# KiCad board hackrf-one.kicad_pcb (continued)
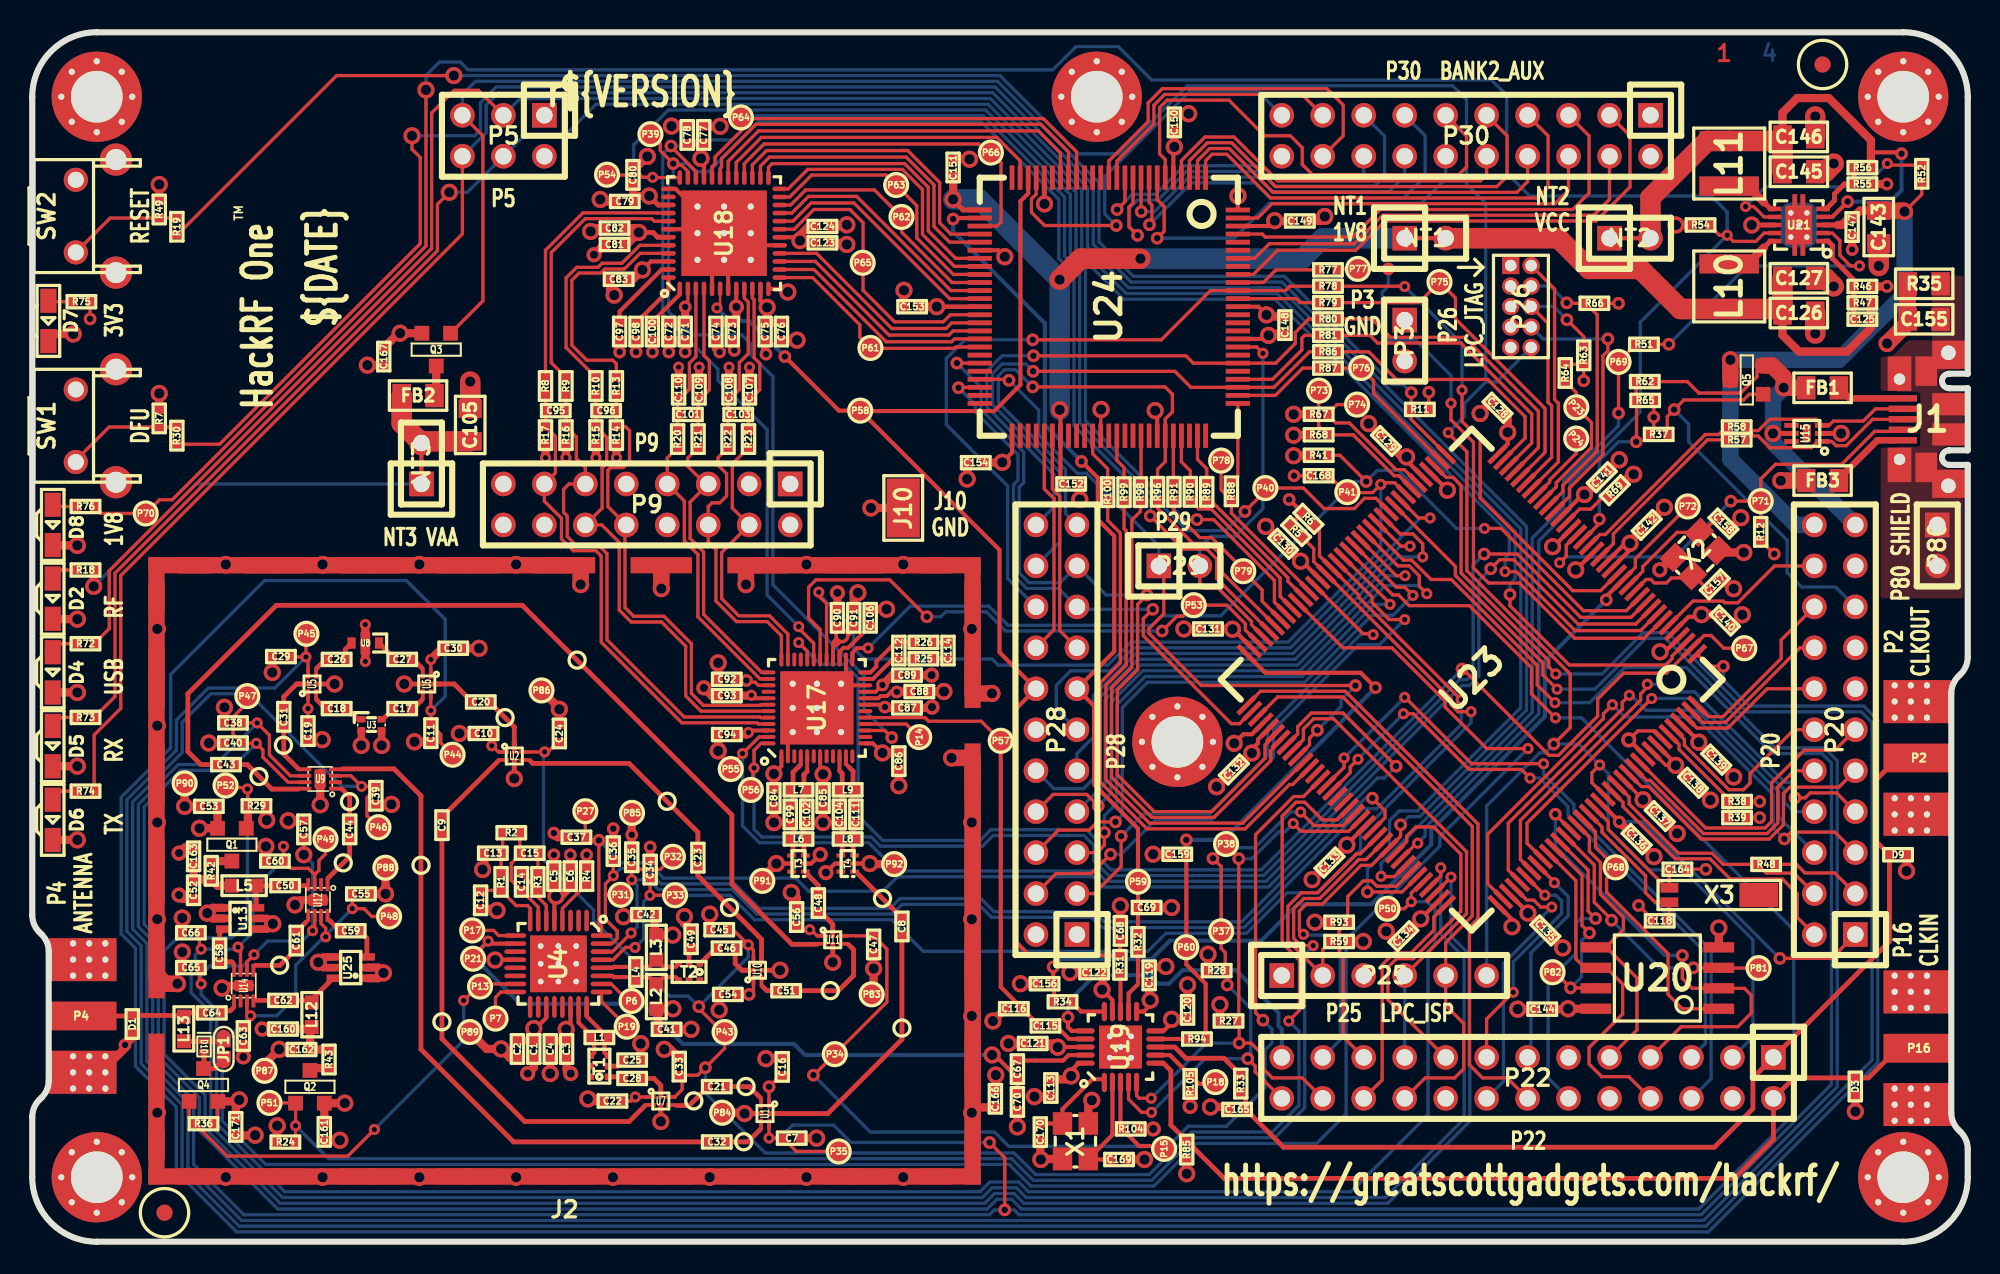
[diagram p0: board, top side]
## Placement (name value [footprint] x y rotation side) (continued)
U3  LOWPASS_FILTER  [GSG-LP0603]  21.03 32.05 0 top
U4  RFFC5072  [GSG-QFN32]  32.62 17.24 270 top
U5  SKY13453  [SKY13350-385LF]  17.35 34.59 90 top
U6  SKY13453  [SKY13350-385LF]  24.46 34.59 270 top
U7  SKY13453  [SKY13350-385LF]  38.97 8.73 0 top
U8  HIGHPASS_FILTER  [GSG-HP-DEA]  20.65 37.13 180 top
U9  SKY13317  [GSG-SKY13317-373LF]  17.85 28.7 180 top
U10  SKY13453  [SKY13350-385LF]  44.96 16.84 90 top
U11  SKY13453  [SKY13350-385LF]  49.63 18.72 0 top
U12  SKY13317  [GSG-SKY13317-373LF]  17.71 21.19 270 top
U13  MGA-81563  [GSG-SOT363]  12.88 20.05 270 top
U14  SKY13317  [GSG-SKY13317-373LF]  13.11 15.88 90 top
U15  TVS  [GSG-LXES1TBCC2-004]  110.03 50.12 270 top
U17  MAX2837  [GSG-QFN48-6]  48.65 33.1 90 top
U18  MAX5864  [GSG-QFN48-7]  42.9 62.54 90 top
U19  SI5351C  [GSG-QFN20-4]  67.47 12.07 90 top
U20  W25Q80  [GSG-SOIC8-208]  100.76 16.35 180 top
U21  TPS62410  [GSG-S-PVSON-N10]  109.53 63.05 180 top
U23  LPC4320FBD144  [GSG-LQFP144]  89.25 34.86 225 top
U24  GSG-XC2C64A-7VQG100C  [GSG-VQ100]  66.75 57.98 270 top
U25  MGA-81563  [GSG-SOT363]  19.74 17 90 top
X1  MAIN_XTAL  [GSG-XTAL3.2x2.5mm]  64.68 6.23 90 top
X2  MCU_XTAL  [GSG-XTAL3.2x2.5mm]  103.15 42.65 45 top
X3  RTC_XTAL  [GSG-XTAL-AB26TRQ]  101.5 21.5 0 top

## Library data of the parts
C1 C3 C5 C7 C11 C24 C29 C33-C40 C45 C47 C55 C57 C60 C63 C65-C67 C115 C125 = -: Description: CAP CER 33PF 50V C0G/NP0 0402; Manufacturer: Samsung; Part Number: CL05C330JB5NNNC; Substitution: Murata GRM1555C1H330JA01D
C2 C4 C6 C10 C16 C19 C22 C30 C54 C56 C87-C89 C92 C93 C162 C163 = -: Description: CAP CER 10000PF 50V X7R 0402; Manufacturer: Samsung; Part Number: CL05B103KB5NNNC; Substitution: Murata GRM155R71C103KA01D
C8 C21 C32 C43 C48 C51 C84-C86 C94 C99 C102 = -: Description: CAP CER 22PF 50V C0G/NP0 0402; Manufacturer: Samsung; Part Number: CL05C220JB5NNNC; Substitution: Murata GRM1555C1H220JA01D
C9 C17 C18 C20 C23 C25 C28 C31 C44 C46 C49 C50 C58 C59 C61 C62 C64 C71 C73 C75 C77 C79 C81 C83 C91 C113 C119-C123 C128-C142 C144 C147-C154 C166 C167 = -: Description: CAP CER 0.1UF 25V X5R 0402; Manufacturer: Samsung; Part Number: CL05A104KA5NNNC; Substitution: Murata GRM155R61A104KA01D
C12 C13 = -: Description: CAP CER 330PF 50V C0G/NP0 0402; Manufacturer: Samsung; Part Number: CL05C331JB5NNNC; Substitution: Murata GRM155R71H331KA01D
C14 = -: Description: CAP CER 8.2PF 50V C0G/NPO 0402; Manufacturer: Yageo; Part Number: CC0402CRNPO9BN8R2; Substitution: Taiyo Yuden UMK105CG8R2DV-F
C15 C112 = -: Description: CAP CER 180PF 50V C0G/NPO 0402; Manufacturer: Yageo; Part Number: CC0402JRNPO9BN181; Substitution: Murata GRM1555C1H181JA01D
C26 C27 C116 = -: Description: CAP CER 47PF 50V C0G/NP0 0402; Manufacturer: Samsung; Part Number: CL05C470JB5NNNC; Substitution: Murata GRM1555C1H470JA01D
C41 C42 C52 C70 C90 C160 = -: Description: CAP CER 100PF 50V 5% C0G/NP0 0402; Manufacturer: Samsung; Part Number: CL05C101JB5NNNC; Substitution: Murata GRM1555C1H101JA01D
C53 C106 C161 C171 = -: Description: CAP CER 1UF 10V X5R 0402; Manufacturer: Samsung; Part Number: CL05A105KP5NNNC; Substitution: Taiyo Yuden LMK105BJ105KV-F
C68 C69 C159 C165 C168 = -: Description: CAP CER 100PF 50V 5% C0G/NP0 0402; DNP: DNP; Manufacturer: Samsung; Part Number: CL05C101JB5NNNC; Substitution: Murata GRM1555C1H101JA01D
C72 C74 C76 C78 C80 C82 C124 = -: Description: CAP CER 2.2UF 10V 20% X5R 0402; Manufacturer: Taiyo Yuden; Part Number: LMK105BJ225MV-F
C95 C96 C101 C103 C107-C110 = -: Description: CAP CER 22PF 50V C0G/NP0 0402; DNP: DNP; Manufacturer: Samsung; Part Number: CL05C220JB5NNNC; Substitution: Murata GRM1555C1H220JA01D
C97 C98 C100 = -: Description: CAP CER 0.33UF 10V X5R 0402; Manufacturer: Yageo; Part Number: CC0402KRX5R6BB334; Substitution: Murata GRM155R61A334KE15D
C104 C111 = -: Description: CAP CER 3PF 50V C0G/NP0 0402; Manufacturer: Murata; Part Number: GCM1555C1H3R0CA16D
C105 C126 C127 C143 C145 C146 = -: Description: CAP CER 10UF 16V X5R 0805; Manufacturer: Samsung; Part Number: CL21A106KOQNNNE; Substitution: Murata GRM21BR61A106KE19L
C114 = -: Description: CAP CER 3300PF 50V X7R 0402; Manufacturer: Yageo; Part Number: CC0402KRX7R9BB332
C118 C157 C158 C164 = -: Description: CAP CER 18PF 50V 5% C0G/NP0 0402; Manufacturer: Samsung; Part Number: CL05C180JB5NNNC; Substitution: Murata GRM1555C1H180JA01D
C156 = -: Description: CAP CER 47PF 50V C0G/NP0 0402; DNP: DNP; Manufacturer: Samsung; Part Number: CL05C470JB5NNNC; Substitution: Murata GRM1555C1H470JA01D
C169 C170 = -: Description: CAP CER 1.8PF 50V C0G/NPO 0402; Manufacturer: Yageo; Part Number: CC0402CRNPO9BN1R8
D1 D3 D9 = -: Description: TVS DIODE ESD .05PF 15KV 0402; Manufacturer: Murata; Part Number: LXES15AAA1-100
D2 D6 = -: Description: LED SUPR RED CLR RT ANG 0805; Manufacturer: Lite-On; Part Number: LTST-S220KRKT
D4 D7 = -: Description: LED GREEN CLEAR RT ANG 0805; Manufacturer: Lite-On; Part Number: LTST-S220KGKT
D5 D8 = -: Description: LED YELLOW CLEAR RT ANG 0805; Manufacturer: Lite-On; Part Number: LTST-S220KSKT
D10 = -: Description: DIODE SCHOTTKY 40V 1A DSN1006-2; Manufacturer: Nexperia; Part Number: PMEG4010ESBYL
FB1-FB3 = -: Description: FERRITE CHIP 220 OHM 2000MA 0805; Manufacturer: Murata; Part Number: BLM21PG221SN1D
J1 = -: Description: CONN RCPT REV MICRO USB TYPE B; Manufacturer: FCI; Part Number: 10103592-0001LF
J2 = -: Description: BOARD SHIELD 2INX1.5IN FRAME; DNP: DNP; Manufacturer: Laird; Part Number: BMI-S-230-F-R
J10 = -: Description: PC TEST POINT TIN SMD; DNP: DNP; Manufacturer: Harwin; Part Number: S1751-46R
L2 L3 L5 L12 L13 = -: Description: INDUCTR 10UH 220MA 20% 0603 SMD; Manufacturer: Taiyo Yuden; Part Number: BRL1608T100M
L7 = -: Description: FIXED IND 6.2NH 600MA 220MOHM SMD; Manufacturer: Murata; Part Number: LQG15HS6N2S02D; Substitution: Taiyo Yuden HK10056N2S-T
L10 L11 = -: Description: FIXED IND 4.7UH 1.7A 84 MOHM SMD; Manufacturer: Taiyo Yuden; Part Number: NRS4018T4R7MDGJ; Substitution: NRG4026T4R7M
NT1-NT3 P3 P5 P25 P29 P30 P80 = -: DNP: DNP
P2 P4 P16 = -: Description: CONN SMA JACK 50 OHM EDGE MNT W/JAM NUT & LOCK WASHER; Manufacturer: Molex; Part Number: 73251-2121
P9 = -: Description: CONN HEADER FMAL 16PS.1" DL GOLD; Manufacturer: Sullins; Part Number: PPPC082LFBN-RC
P20 P28 = -: Description: CONN HEADER FMAL 22PS.1" DL GOLD; Manufacturer: Sullins; Part Number: PPPC112LFBN-RC
P22 = -: Description: CONN HEADER FMAL 26PS.1" DL GOLD; Manufacturer: Sullins; Part Number: PPPC132LFBN-RC
P26 = -: Description: CONN HEADER .050" 10PS DL PCB AU; DNP: DNP; Manufacturer: Sullins; Part Number: GRPB052VWVN-RC
Q1-Q5 = -: Description: P-CH MOSFET 20V 3.4A SOT-23-3L; Manufacturer: Yangzhou Yangjie; Part Number: YJL2301C
R1 R2 R25 R26 R72 R75 = -: Description: RES TF 1/16W 470 OHM 5% 0402; Manufacturer: Stackpole; Part Number: RMCF0402JT470R; Substitution: any equivalent
R3 = -: Description: RES 22K OHM 1/10W 5% 0402 SMD; Manufacturer: Panasonic; Part Number: ERJ-2GEJ223X; Substitution: any equivalent
R4 = -: Description: RES TF 51K OHM 1% 0.0625W 0402; Manufacturer: Stackpole; Part Number: RMCF0402FT51K0; Substitution: any equivalent
R5-R7 R11 R12 R24 R29 R36 R37 R41 R48 R49 R51 R52 R54 R59 R62-R64 R66-R68 R85 R93 R104 R105 = -: Description: RES 10K OHM 1/16W 5% 0402 SMD; Manufacturer: Stackpole; Part Number: RMCF0402JT10K0; Substitution: any equivalent
R8-R10 R13 R73 R76 = -: Description: RES 1K OHM 1/16W 1% 0402; Manufacturer: Stackpole; Part Number: RMCF0402FT1K00; Substitution: any equivalent
R14-R17 = -: Description: RES 4.7K OHM 1/16W 1% 0402; Manufacturer: Stackpole; Part Number: RMCF0402FT4K70; Substitution: any equivalent
R18 R27 R28 R74 = -: Description: RES TF 1.8K OHM 5% 1/16W 0402; Manufacturer: Stackpole; Part Number: RMCF0402JT1K80; Substitution: any equivalent
R19 R30-R34 R77-R81 R86-R91 R94 R96 R98-R100 = -: Description: RES 39 OHM 1/16W 5% 0402 SMD; Manufacturer: Stackpole; Part Number: RMCF0402JT39R0; Substitution: any equivalent
R20-R23 R57 R58 = -: Description: RES 0.0 OHM 1/16W 0402 SMD; Manufacturer: Stackpole; Part Number: RMCF0402ZT0R00; Substitution: any equivalent
R38 = -: Description: RES 15.4K OHM 1% 1/16W 0402; Manufacturer: Yageo; Part Number: RC0402FR-0715K4L; Substitution: any equivalent
R39 R47 = -: Description: RES TF 1/16W 330K OHM 1% 0402; Manufacturer: Stackpole; Part Number: RMCF0402FT330K; Substitution: any equivalent
R42 R43 = -: Description: RES 18 OHM 5% 1/16W 0402; Manufacturer: Yageo; Part Number: RC0402JR-0718RL; Substitution: any equivalent
R46 R55 = -: Description: RES TF 1/16W 162K OHM 1% 0402; Manufacturer: Stackpole; Part Number: RMCF0402FT162K; Substitution: any equivalent
R56 = -: Description: RES TF 1/16W 715K OHM 1% 0402; Manufacturer: Stackpole; Part Number: RMCF0402FT715K; Substitution: any equivalent
R65 = -: Description: RES SMD 18K OHM 5% 1/16W 0402; Manufacturer: Yageo; Part Number: RC0402JR-0718KL; Substitution: any equivalent
R69 = -: Description: RES 12K OHM 1% 1/16W 0402; Manufacturer: Yageo; Part Number: RC0402FR-0712KL; Substitution: any equivalent
SW1 SW2 = -: Description: SWITCH TACTILE SPST-NO 0.05A 12V; Manufacturer: TE Connectivity; Part Number: FSMRA3JH
T1 T2 = -: Description: Ultra Low Profile 0805 Balun 50 to 100 ohm Balanced; Manufacturer: TTM; Part Number: B0310J50100AHF
T3 T4 = -: Description: BALUN CERAMIC CHIP WIMAX 2.5GHZ; Manufacturer: Johanson Technology; Part Number: 2500BL14M100T
U1 U2 U5-U7 U10 U11 = -: Description: IC RF SWITCH 6GHZ 6QFN; Manufacturer: Skyworks; Part Number: SKY13453-385LF
U3 = -: Description: FILTER LOW PASS 1880MHZ 0603 SMD; Manufacturer: AVX; Part Number: LP0603A1880ANTR
U4 = -: Description: WIDEBAND SYNTHESIZER/VCO WITH INTEGRATED 6GHz MIXER; Manufacturer: RFMD; Part Number: RFFC5072TR7; Substitution: RFFC5072*
U8 = -: Description: FILTER HIGHPASS WLAN&BLUETOOTH; Manufacturer: TDK; Part Number: DEA162400HT-8004B1
U9 U12 U14 = -: Description: 20 MHz-6.0 GHz pHEMT GaAs SP3T Switch; Manufacturer: Skyworks; Part Number: SKY13317-373LF
U13 U25 = -: Description: 0.1-6 GHz 3 V, 14 dBm Amplifier; Manufacturer: Avago; Part Number: MGA-81563-TR1G; Substitution: MGA-81563*
U15 = -: Description: TVS DIODE 5.5V 22V LLP75-6L; Manufacturer: Vishay; Part Number: VBUS54CV-HSF-G4-08
U17 = -: Description: IC TXRX 2.3GHZ-2.7GHZ 48TQFN; Manufacturer: Maxim; Part Number: MAX2837ETM+T; Substitution: MAX2837ETM+
U18 = -: Description: IC ANLG FRONT END 22MSPS 48-TQFN; Manufacturer: Maxim; Part Number: MAX5864ETM+T; Substitution: MAX5864ETM+
U19 = -: Description: IC CLK GENERATOR 160MHZ 20QFN; Manufacturer: Silicon Laboratories Inc; Part Number: SI5351C-B-GM
U20 = -: Description: IC FLASH 8MBIT 8SOIC; Manufacturer: Winbond; Part Number: W25Q80DVSSIG
U21 = -: Description: IC BUCK SYNC DUAL ADJ 0.8A 10SON; Manufacturer: Texas Instruments; Part Number: TPS62410DRCR
U23 = -: Description: IC MCU 32BIT 144LQFP; Manufacturer: NXP; Part Number: LPC4320FBD144,551
U24 = -: Description: IC CR-II CPLD 64MCELL 100-VQFP; Manufacturer: Xilinx; Part Number: XC2C64A-7VQG100C
X1 = -: Description: CRYSTAL 25.0000MHZ 10PF SMD; Manufacturer: Abracon; Part Number: ABM8-25.000MHZ-10-D1G-T
X2 = -: Description: CRYSTAL 12.000 MHZ 12PF SMD; Manufacturer: TXC; Part Number: 7V-12.000MAAE-T
X3 = -: Description: CRYSTAL 32.768KHZ 12.5PF SMD; Manufacturer: Abracon; Part Number: AB26TRQ-32.768KHZ-T

## Footprints (pads in the part's own frame, mm; a bottom-side part is the same pattern mirrored in y, then rotated)
0603-JUMPER
  oval 1.092x0.864 smd: 1(-0.648,0) 2(0.648,0)
  rect 0.508x0.864 smd: 1(-0.356,0) 2(0.356,0)
DSN1006-2
  rect 0.35x0.6 smd: 1(-0.325,0) 2(0.325,0)
GSG-50MIL-HEADER-2x5-TH
  rect 1.067x1.067 hole 0.711: 1(-2.54,-0.635)
  round 1.067 hole 0.711: 2(-2.54,0.635) 3(-1.27,-0.635) 4(-1.27,0.635) 5(0,-0.635) 6(0,0.635) 7(1.27,-0.635) 8(1.27,0.635) 9(2.54,-0.635) 10(2.54,0.635)
GSG-0402
  rect 0.508x0.559 smd: 1(-0.533,0) 2(0.533,0)
GSG-0603
  rect 0.864x0.864 smd: 1(-0.762,0) 2(0.762,0)
GSG-0805
  rect 1.151x1.44 smd: 1(-1.016,0) 2(1.016,0)
GSG-2500BL14M100
  rect 0.249x0.551 smd: 1(-0.5,-0.424) 2(0,-0.424) 3(0.5,-0.424) 4(0.5,0.424) 5(0,0.424) 6(-0.5,0.424)
GSG-B0310J50100AHF
  rect 0.409x0.33 smd: 1(0.66,0.495) 2(0,0.495) 3(-0.66,0.495) 4(-0.66,-0.495) 5(0,-0.495) 6(0.66,-0.495)
GSG-HEADER-1x2
  rect 1.524x1.524 hole 1.016: 1(-1.27,0)
  round 1.524 hole 1.016: 2(1.27,0)
GSG-HEADER-1x6
  rect 1.524x1.524 hole 1.016: 1(-6.35,0)
  round 1.524 hole 1.016: 2(-3.81,0) 3(-1.27,0) 4(1.27,0) 5(3.81,0) 6(6.35,0)
GSG-HEADER-2x3
  rect 1.524x1.524 hole 1.016: 1(-2.54,-1.27)
  round 1.524 hole 1.016: 2(-2.54,1.27) 3(0,-1.27) 4(0,1.27) 5(2.54,-1.27) 6(2.54,1.27)
GSG-HEADER-2x8
  rect 1.524x1.524 hole 1.016: 1(-8.89,-1.27)
  round 1.524 hole 1.016: 2(-8.89,1.27) 3(-6.35,-1.27) 4(-6.35,1.27) 5(-3.81,-1.27) 6(-3.81,1.27) 7(-1.27,-1.27) 8(-1.27,1.27) 9(1.27,-1.27) 10(1.27,1.27) 11(3.81,-1.27) 12(3.81,1.27) 13(6.35,-1.27) 14(6.35,1.27) 15(8.89,-1.27) 16(8.89,1.27)
GSG-HEADER-2x10
  rect 1.524x1.524 hole 1.016: 1(-11.43,-1.27)
  round 1.524 hole 1.016: 2(-11.43,1.27) 3(-8.89,-1.27) 4(-8.89,1.27) 5(-6.35,-1.27) 6(-6.35,1.27) 7(-3.81,-1.27) 8(-3.81,1.27) 9(-1.27,-1.27) 10(-1.27,1.27) 11(1.27,-1.27) 12(1.27,1.27) 13(3.81,-1.27) 14(3.81,1.27) 15(6.35,-1.27) 16(6.35,1.27) 17(8.89,-1.27) 18(8.89,1.27) 19(11.43,-1.27) 20(11.43,1.27)
GSG-HEADER-2x11
  rect 1.524x1.524 hole 1.016: 1(-12.7,-1.27)
  round 1.524 hole 1.016: 2(-12.7,1.27) 3(-10.16,-1.27) 4(-10.16,1.27) 5(-7.62,-1.27) 6(-7.62,1.27) 7(-5.08,-1.27) 8(-5.08,1.27) 9(-2.54,-1.27) 10(-2.54,1.27) 11(0,-1.27) 12(0,1.27) 13(2.54,-1.27) 14(2.54,1.27) 15(5.08,-1.27) 16(5.08,1.27) 17(7.62,-1.27) 18(7.62,1.27) 19(10.16,-1.27) 20(10.16,1.27) 21(12.7,-1.27) 22(12.7,1.27)
GSG-HEADER-2x13
  rect 1.524x1.524 hole 1.016: 1(-15.24,-1.27)
  round 1.524 hole 1.016: 2(-15.24,1.27) 3(-12.7,-1.27) 4(-12.7,1.27) 5(-10.16,-1.27) 6(-10.16,1.27) 7(-7.62,-1.27) 8(-7.62,1.27) 9(-5.08,-1.27) 10(-5.08,1.27) 11(-2.54,-1.27) 12(-2.54,1.27) 13(0,-1.27) 14(0,1.27) 15(2.54,-1.27) 16(2.54,1.27) 17(5.08,-1.27) 18(5.08,1.27) 19(7.62,-1.27) 20(7.62,1.27) 21(10.16,-1.27) 22(10.16,1.27) 23(12.7,-1.27) 24(12.7,1.27) 25(15.24,-1.27) 26(15.24,1.27)
GSG-HEADER-NOMARK-1x2
  rect 1.524x1.524 hole 1.016: 1(-1.27,0)
  round 1.524 hole 1.016: 2(1.27,0)
GSG-HOLE126MIL-COPPER
  round 0.6 hole 0.381: 1(-2.2,0) 1(-1.55,1.55) 1(-1.55,-1.55) 1(0,2.2) 1(0,-2.2) 1(1.55,1.55) 1(1.55,-1.55) 1(2.2,0)
  round 5.6 hole 3.2: 1(0,0)
GSG-HP-DEA
  rect 0.5x0.701 smd: 1(-0.851,0) 3(0.851,0)
  rect 0.599x0.5 smd: 2(0,-0.45) 4(0,0.45)
GSG-LP0603
  rect 0.5x0.399 smd: 1(-0.625,0.351) 2(-0.625,-0.351) 3(0.625,-0.351) 4(0.625,0.351)
GSG-LQFP144
  rect 1.501x0.295 smd: 1(-11.001,8.75) 2(-11.001,8.25) 3(-11.001,7.75) 4(-11.001,7.249) 5(-11.001,6.749) 6(-11.001,6.251) 7(-11.001,5.751) 8(-11.001,5.25) 9(-11.001,4.75) 10(-11.001,4.249) 11(-11.001,3.749) 12(-11.001,3.251) 13(-11.001,2.751) 14(-11.001,2.25) 15(-11.001,1.75) 16(-11.001,1.25) 17(-11.001,0.749) 18(-11.001,0.249) 19(-11.001,-0.249) 20(-11.001,-0.749) 21(-11.001,-1.25) 22(-11.001,-1.75) 23(-11.001,-2.25) 24(-11.001,-2.751) 25(-11.001,-3.251) 26(-11.001,-3.749) 27(-11.001,-4.249) 28(-11.001,-4.75) 29(-11.001,-5.25) 30(-11.001,-5.751) 31(-11.001,-6.251) 32(-11.001,-6.749) 33(-11.001,-7.249) 34(-11.001,-7.75) 35(-11.001,-8.25) 36(-11.001,-8.75) 73(11.001,-8.75) 74(11.001,-8.25) 75(11.001,-7.75) 76(11.001,-7.249) 77(11.001,-6.749) 78(11.001,-6.251) 79(11.001,-5.751) 80(11.001,-5.25) 81(11.001,-4.75) 82(11.001,-4.249) 83(11.001,-3.749) 84(11.001,-3.251) 85(11.001,-2.751) 86(11.001,-2.25) 87(11.001,-1.75) 88(11.001,-1.25) 89(11.001,-0.749) 90(11.001,-0.249) 91(11.001,0.249) 92(11.001,0.749) 93(11.001,1.25) 94(11.001,1.75) 95(11.001,2.25) 96(11.001,2.751) 97(11.001,3.251) 98(11.001,3.749) 99(11.001,4.249) 100(11.001,4.75) 101(11.001,5.25) 102(11.001,5.751) 103(11.001,6.251) 104(11.001,6.749) 105(11.001,7.249) 106(11.001,7.75) 107(11.001,8.25) 108(11.001,8.75)
  rect 0.295x1.501 smd: 37(-8.75,-11.001) 38(-8.25,-11.001) 39(-7.75,-11.001) 40(-7.249,-11.001) 41(-6.749,-11.001) 42(-6.251,-11.001) 43(-5.751,-11.001) 44(-5.25,-11.001) 45(-4.75,-11.001) 46(-4.249,-11.001) 47(-3.749,-11.001) 48(-3.251,-11.001) 49(-2.751,-11.001) 50(-2.25,-11.001) 51(-1.75,-11.001) 52(-1.25,-11.001) 53(-0.749,-11.001) 54(-0.249,-11.001) 55(0.249,-11.001) 56(0.749,-11.001) 57(1.25,-11.001) 58(1.75,-11.001) 59(2.25,-11.001) 60(2.751,-11.001) 61(3.251,-11.001) 62(3.749,-11.001) 63(4.249,-11.001) 64(4.75,-11.001) 65(5.25,-11.001) 66(5.751,-11.001) 67(6.251,-11.001) 68(6.749,-11.001) 69(7.249,-11.001) 70(7.75,-11.001) 71(8.25,-11.001) 72(8.75,-11.001) 109(8.75,11.001) 110(8.25,11.001) 111(7.75,11.001) 112(7.249,11.001) 113(6.749,11.001) 114(6.251,11.001) 115(5.751,11.001) 116(5.25,11.001) 117(4.75,11.001) 118(4.249,11.001) 119(3.749,11.001) 120(3.251,11.001) 121(2.751,11.001) 122(2.25,11.001) 123(1.75,11.001) 124(1.25,11.001) 125(0.749,11.001) 126(0.249,11.001) 127(-0.249,11.001) 128(-0.749,11.001) 129(-1.25,11.001) 130(-1.75,11.001) 131(-2.25,11.001) 132(-2.751,11.001) 133(-3.251,11.001) 134(-3.749,11.001) 135(-4.249,11.001) 136(-4.75,11.001) 137(-5.25,11.001) 138(-5.751,11.001) 139(-6.251,11.001) 140(-6.749,11.001) 141(-7.249,11.001) 142(-7.75,11.001) 143(-8.25,11.001) 144(-8.75,11.001)
GSG-LXES1TBCC2-004
  rect 1.1x0.5 smd: 0(0,0)
  rect 0.3x0.9 smd: 1(0.5,0.95) 2(0,0.95) 3(-0.5,0.95) 4(-0.5,-0.95) 5(0,-0.95) 6(0.5,-0.95)
GSG-MARK1MM
  round 1 smd: (0,0)
GSG-NRG4026
  rect 1.199x3.701 smd: 1(-1.4,0) 2(1.4,0)
GSG-QFN20-4
  round 0.6 hole 0.35: 0(-0.66,0.66) 0(-0.66,-0.66) 0(0,0) 0(0.66,0.66) 0(0.66,-0.66)
  rect 1.32x1.32 smd: 0(-0.66,0.66) 0(-0.66,-0.66) 0(0.66,0.66) 0(0.66,-0.66)
  rect 2.65x2.65 smd: 0(0,0)
  oval 1.2x0.32 smd: 1(-2.2,1) 2(-2.2,0.5) 3(-2.2,0) 4(-2.2,-0.5) 5(-2.2,-1) 11(2.2,-1) 12(2.2,-0.5) 13(2.2,0) 14(2.2,0.5) 15(2.2,1)
  oval 0.32x1.2 smd: 6(-1,-2.2) 7(-0.5,-2.2) 8(0,-2.2) 9(0.5,-2.2) 10(1,-2.2) 16(1,2.2) 17(0.5,2.2) 18(0,2.2) 19(-0.5,2.2) 20(-1,2.2)
GSG-QFN32
  round 0.6 hole 0.35: 0(-1.1,1.1) 0(-1.1,0) 0(-1.1,-1.1) 0(0,1.1) 0(0,0) 0(0,-1.1) 0(1.1,1.1) 0(1.1,0) 0(1.1,-1.1)
  rect 1.1x1.1 smd: 0(-1.1,1.1) 0(-1.1,0) 0(-1.1,-1.1) 0(0,1.1) 0(0,0) 0(0,-1.1) 0(1.1,1.1) 0(1.1,0) 0(1.1,-1.1)
  rect 3.525x3.525 smd: 0(0,0)
  oval 1.35x0.28 smd: 1(-2.675,1.75) 2(-2.675,1.25) 3(-2.675,0.75) 4(-2.675,0.25) 5(-2.675,-0.25) 6(-2.675,-0.75) 7(-2.675,-1.25) 8(-2.675,-1.75) 17(2.675,-1.75) 18(2.675,-1.25) 19(2.675,-0.75) 20(2.675,-0.25) 21(2.675,0.25) 22(2.675,0.75) 23(2.675,1.25) 24(2.675,1.75)
  oval 0.28x1.35 smd: 9(-1.75,-2.675) 10(-1.25,-2.675) 11(-0.75,-2.675) 12(-0.25,-2.675) 13(0.25,-2.675) 14(0.75,-2.675) 15(1.25,-2.675) 16(1.75,-2.675) 25(1.75,2.675) 26(1.25,2.675) 27(0.75,2.675) 28(0.25,2.675) 29(-0.25,2.675) 30(-0.75,2.675) 31(-1.25,2.675) 32(-1.75,2.675)
GSG-QFN48-6
  round 0.635 hole 0.381: 0(-1.5,1.5) 0(-1.5,0) 0(-1.5,-1.5) 0(0,1.5) 0(0,0) 0(0,-1.5) 0(1.5,1.5) 0(1.5,0) 0(1.5,-1.5)
  rect 1.5x1.5 smd: 0(-1.5,1.5) 0(-1.5,0) 0(-1.5,-1.5) 0(0,1.5) 0(0,0) 0(0,-1.5) 0(1.5,1.5) 0(1.5,0) 0(1.5,-1.5)
  rect 4.525x4.525 smd: 0(0,0)
  oval 0.87x0.245 smd: 1(-3,2.2) 2(-3,1.8) 3(-3,1.4) 4(-3,1) 5(-3,0.6) 6(-3,0.2) 7(-3,-0.2) 8(-3,-0.6) 9(-3,-1) 10(-3,-1.4) 11(-3,-1.8) 12(-3,-2.2) 25(3,-2.2) 26(3,-1.8) 27(3,-1.4) 28(3,-1) 29(3,-0.6) 30(3,-0.2) 31(3,0.2) 32(3,0.6) 33(3,1) 34(3,1.4) 35(3,1.8) 36(3,2.2)
  oval 0.245x0.87 smd: 13(-2.2,-3) 14(-1.8,-3) 15(-1.4,-3) 16(-1,-3) 17(-0.6,-3) 18(-0.2,-3) 19(0.2,-3) 20(0.6,-3) 21(1,-3) 22(1.4,-3) 23(1.8,-3) 24(2.2,-3) 37(2.2,3) 38(1.8,3) 39(1.4,3) 40(1,3) 41(0.6,3) 42(0.2,3) 43(-0.2,3) 44(-0.6,3) 45(-1,3) 46(-1.4,3) 47(-1.8,3) 48(-2.2,3)
GSG-QFN48-7
  round 0.635 hole 0.381: 0(-1.65,1.65) 0(-1.65,0) 0(-1.65,-1.65) 0(0,1.65) 0(0,0) 0(0,-1.65) 0(1.65,1.65) 0(1.65,0) 0(1.65,-1.65)
  rect 1.65x1.65 smd: 0(-1.65,1.65) 0(-1.65,0) 0(-1.65,-1.65) 0(0,1.65) 0(0,0) 0(0,-1.65) 0(1.65,1.65) 0(1.65,0) 0(1.65,-1.65)
  rect 5.3x5.3 smd: 0(0,0)
  oval 0.9x0.28 smd: 1(-3.45,2.75) 2(-3.45,2.25) 3(-3.45,1.75) 4(-3.45,1.25) 5(-3.45,0.75) 6(-3.45,0.25) 7(-3.45,-0.25) 8(-3.45,-0.75) 9(-3.45,-1.25) 10(-3.45,-1.75) 11(-3.45,-2.25) 12(-3.45,-2.75) 25(3.45,-2.75) 26(3.45,-2.25) 27(3.45,-1.75) 28(3.45,-1.25) 29(3.45,-0.75) 30(3.45,-0.25) 31(3.45,0.25) 32(3.45,0.75) 33(3.45,1.25) 34(3.45,1.75) 35(3.45,2.25) 36(3.45,2.75)
  oval 0.28x0.9 smd: 13(-2.75,-3.45) 14(-2.25,-3.45) 15(-1.75,-3.45) 16(-1.25,-3.45) 17(-0.75,-3.45) 18(-0.25,-3.45) 19(0.25,-3.45) 20(0.75,-3.45) 21(1.25,-3.45) 22(1.75,-3.45) 23(2.25,-3.45) 24(2.75,-3.45) 37(2.75,3.45) 38(2.25,3.45) 39(1.75,3.45) 40(1.25,3.45) 41(0.75,3.45) 42(0.25,3.45) 43(-0.25,3.45) 44(-0.75,3.45) 45(-1.25,3.45) 46(-1.75,3.45) 47(-2.25,3.45) 48(-2.75,3.45)
GSG-S-PVSON-N10
  round 0.585 hole 0.33: 0(-0.5,0.75) 0(-0.5,-0.75) 0(0,0) 0(0.5,0.75) 0(0.5,-0.75)
  rect 0.825x1.2 smd: 0(-0.41,0.6) 0(-0.41,-0.6) 0(0.41,0.6) 0(0.41,-0.6)
  rect 0.28x0.7 smd: 0(-0.25,1.55) 0(-0.25,-1.55) 0(0.25,1.55) 0(0.25,-1.55)
  rect 0.28x1.4 smd: 0(-0.25,1.2) 0(-0.25,-1.2) 0(0.25,1.2) 0(0.25,-1.2)
  rect 0.85x0.28 smd: 1(-1.5,1) 2(-1.5,0.5) 3(-1.5,0) 4(-1.5,-0.5) 5(-1.5,-1) 6(1.5,-1) 7(1.5,-0.5) 8(1.5,0) 9(1.5,0.5) 10(1.5,1)
GSG-SHIELD-BMI-S-230
  rect 1x3.35 smd: 0(-25.3,17.775) 0(-25.3,-17.775) 0(25.3,17.775) 0(25.3,-17.775)
  rect 1x3.8 smd: 0(-25.3,12) 0(-25.3,6) 0(-25.3,0) 0(-25.3,-6) 0(-25.3,-12) 0(25.3,12) 0(25.3,6) 0(25.3,0) 0(25.3,-6) 0(25.3,-12)
  rect 3.85x1 smd: 0(-23.875,18.95) 0(-23.875,-18.95) 0(23.875,18.95) 0(23.875,-18.95)
  rect 3.8x1 smd: 0(-18,18.95) 0(-18,-18.95) 0(-12,18.95) 0(-12,-18.95) 0(-6,18.95) 0(-6,-18.95) 0(0,18.95) 0(0,-18.95) 0(6,18.95) 0(6,-18.95) 0(12,18.95) 0(12,-18.95) 0(18,18.95) 0(18,-18.95)
GSG-SKY13317-373LF
  rect 0.2x0.15 smd: 0(-0.25,0.425)
  oval 0.2x1.1 smd: 0(-0.25,-0.05)
  rect 0.171x0.142 smd rot 135: 0(-0.24,0.49)
  rect 0.2x1.3 smd: 0(0,0)
  rect 0.5x1.2 smd: 0(0,0)
  rect 0.6x1.1 smd: 0(0,0)
  oval 0.2x1.2 smd: 0(0.25,0)
  rect 0.8x0.24 smd: 1(-0.95,0.6) 2(-0.95,0.2) 3(-0.95,-0.2) 4(-0.95,-0.6) 5(0.95,-0.6) 6(0.95,-0.2) 7(0.95,0.2) 8(0.95,0.6)
GSG-SMA-73251-2120
  rect 4.19x1.78 smd: 1(2.095,0)
  round 0.6 hole 0.381: 2(1.5,4.5) 2(1.5,3.5) 2(1.5,2.5) 2(1.5,-2.5) 2(1.5,-3.5) 2(1.5,-4.5) 2(2.5,4.5) 2(2.5,3.5) 2(2.5,2.5) 2(2.5,-2.5) 2(2.5,-3.5) 2(2.5,-4.5) 2(3.5,4.5) 2(3.5,3.5) 2(3.5,2.5) 2(3.5,-2.5) 2(3.5,-3.5) 2(3.5,-4.5)
  rect 4.19x2.665 smd: 2(2.095,3.493) 2(2.095,-3.493)
  rect 4.19x2.665 smd far side: 2(2.095,3.493) 2(2.095,-3.493)
GSG-SOIC8-208
  rect 1.905x0.635 smd: 1(-3.81,1.905) 2(-3.81,0.635) 3(-3.81,-0.635) 4(-3.81,-1.905) 5(3.81,-1.905) 6(3.81,-0.635) 7(3.81,0.635) 8(3.81,1.905)
GSG-SOT363
  rect 0.457x0.991 smd: 1(-0.66,-1.003) 2(0,-1.003) 3(0.66,-1.003) 4(0.66,1.003) 5(0,1.003) 6(-0.66,1.003)
GSG-SWITCH-FSMRA
  round 2 hole 1.3: 0(-3.505,2.49) 0(3.505,2.49)
  round 1.5 hole 0.99: 1(-2.25,0) 2(2.25,0)
GSG-TEST-POINT-S1751-46R
  rect 3.65x2.05 smd: 1(0,0)
GSG-TESTPOINT-30MIL-MASKONLY
  round 0.762 smd: (0,0)
GSG-TESTPOINT-50MIL
  round 1.27 smd: 1(0,0)
GSG-USB-MICROB-FCI-10103592-EXT
  rect 2.1x1.75 smd: 0(1.15,4) 0(1.15,-4)
  rect 2.1x1.375 smd: 0(1.15,0.938) 0(1.15,-0.938)
  round 1.5 hole 0.9: 0(1.2,4.125) 0(1.2,-4.125)
  rect 1.35x1.825 smd: 0(2.575,2.987) 0(2.575,-2.987)
  rect 1.46x2.14 smd: 0(4.23,2.83) 0(4.23,-2.83)
  round 1.4 hole 0.7: 0(4.23,2.49) 0(4.23,-2.49)
  rect 1.75x0.4 smd: 1(4.025,-1.3) 2(4.025,-0.65) 3(4.025,0) 4(4.025,0.65) 5(4.025,1.3)
GSG-VQ100
  rect 1.501x0.295 smd: 1(-8.001,5.999) 2(-8.001,5.499) 3(-8.001,5.001) 4(-8.001,4.501) 5(-8.001,4) 6(-8.001,3.5) 7(-8.001,3) 8(-8.001,2.499) 9(-8.001,1.999) 10(-8.001,1.501) 11(-8.001,1.001) 12(-8.001,0.5) 13(-8.001,0) 14(-8.001,-0.5) 15(-8.001,-1.001) 16(-8.001,-1.501) 17(-8.001,-1.999) 18(-8.001,-2.499) 19(-8.001,-3) 20(-8.001,-3.5) 21(-8.001,-4) 22(-8.001,-4.501) 23(-8.001,-5.001) 24(-8.001,-5.499) 25(-8.001,-5.999) 51(8.001,-5.999) 52(8.001,-5.499) 53(8.001,-5.001) 54(8.001,-4.501) 55(8.001,-4) 56(8.001,-3.5) 57(8.001,-3) 58(8.001,-2.499) 59(8.001,-1.999) 60(8.001,-1.501) 61(8.001,-1.001) 62(8.001,-0.5) 63(8.001,0) 64(8.001,0.5) 65(8.001,1.001) 66(8.001,1.501) 67(8.001,1.999) 68(8.001,2.499) 69(8.001,3) 70(8.001,3.5) 71(8.001,4) 72(8.001,4.501) 73(8.001,5.001) 74(8.001,5.499) 75(8.001,5.999)
  rect 0.295x1.501 smd: 26(-5.999,-8.001) 27(-5.499,-8.001) 28(-5.001,-8.001) 29(-4.501,-8.001) 30(-4,-8.001) 31(-3.5,-8.001) 32(-3,-8.001) 33(-2.499,-8.001) 34(-1.999,-8.001) 35(-1.501,-8.001) 36(-1.001,-8.001) 37(-0.5,-8.001) 38(0,-8.001) 39(0.5,-8.001) 40(1.001,-8.001) 41(1.501,-8.001) 42(1.999,-8.001) 43(2.499,-8.001) 44(3,-8.001) 45(3.5,-8.001) 46(4,-8.001) 47(4.501,-8.001) 48(5.001,-8.001) 49(5.499,-8.001) 50(5.999,-8.001) 76(5.999,8.001) 77(5.499,8.001) 78(5.001,8.001) 79(4.501,8.001) 80(4,8.001) 81(3.5,8.001) 82(3,8.001) 83(2.499,8.001) 84(1.999,8.001) 85(1.501,8.001) 86(1.001,8.001) 87(0.5,8.001) 88(0,8.001) 89(-0.5,8.001) 90(-1.001,8.001) 91(-1.501,8.001) 92(-1.999,8.001) 93(-2.499,8.001) 94(-3,8.001) 95(-3.5,8.001) 96(-4,8.001) 97(-4.501,8.001) 98(-5.001,8.001) 99(-5.499,8.001) 100(-5.999,8.001)
GSG-XTAL3.2x2.5mm
  rect 1.4x1.199 smd: 1(-1.1,-0.8) 2(1.1,-0.8) 3(1.1,0.8) 4(-1.1,0.8)
GSG-XTAL-AB26TRQ
  rect 2.4x1.5 smd: 0(5.55,0)
  rect 1.1x0.6 smd: 1(0,0.45) 2(0,-0.45)
HEADER-1x2-SHORTED
  rect 1.524x1.524 hole 1.016: 1(-1.27,0)
  round 1.524 hole 1.016: 2(1.27,0)
LTST-S220
  rect 1.5x1 smd: 1(1.25,0) 2(-1.25,0)
SKY13350-385LF
  rect 0.645x0.23 smd: 1(-0.643,0.249) 2(-0.643,-0.249) 4(0.643,-0.249) 5(0.643,0.249)
  rect 0.3x0.813 smd: 3(0,-0.552) 6(0,0.552)
SOT23-3
  rect 0.914x0.914 smd: 1(0.889,1.016) 2(-0.889,1.016) 3(0,-1.016)

## Nets
+1V8: C151.1 C152.1 NT1.1 U24.26 U24.57
/mcu/usb/power/VBAT: C136.1 P20.1 U23.127
/mcu/usb/power/VBUS: FB1.2 P20.21 Q5.2 R62.2 U15.5
/mcu/usb/power/VBUSCTRL: P20.17 Q5.1 R37.2
/mcu/usb/power/VIN: C143.1 C147.1 P20.22 Q5.3 R52.1 U21.3
GND: C1.2 C2.2 C3.2 C4.2 C5.2 C6.2 C7.1 C10.1 C11.1 C12.2 C13.2 C16.2 C19.1 C22.1 C24.1 C25.2 C29.2 C30.2 C33.2 C34.2 C35.2 C36.2 C37.2 C38.1 C39.1 C40.1 C41.2 C42.2 C45.1 C47.1 C49.1 C52.2 C53.2 C54.2 C55.2 C56.2 C57.2 C60.1 C63.2 C65.1 C66.1 C68.2 C69.2 C70.2 C71.2 C72.2 C73.2 C74.2 C75.2 C76.2 C77.2 C78.2 C79.2 C80.2 C81.2 C82.2 C83.2 C84.2 C85.2 C86.2 C87.2 C88.2 C89.2 C90.2 C91.2 C92.2 C93.2 C94.2 C97.2 C98.2 C100.2 C105.2 C106.2 C107.2 C108.2 C109.2 C110.2 C113.2 C116.2 C118.2 C119.2 C120.2 C121.2 C122.2 C123.2 C124.2 C126.2 C127.2 C128.2 C129.2 C130.2 C131.2 C132.2 C133.2 C134.2 C135.2 C136.2 C137.2 C138.2 C139.2 C140.2 C141.2 C142.2 C143.2 C144.2 C145.1 C146.1 C147.2 C148.2 C149.2 C150.2 C151.2 C152.2 C153.2 C154.2 C155.2 C156.2 C157.2 C158.2 C159.2 C160.2 C161.2 C162.1 C163.1 C164.2 C165.2 C166.2 C167.2 C168.2 C169.1 C170.1 C171.2 D1.1 D2.1 D3.1 D4.1 D5.1 D6.1 D7.1 D8.1 D9.1 FB3.2 J2.0 J4.1 J5.1 J6.1 J7.1 J8.1 J9.1 J10.1 P2.2 P3.1 P3.2 P4.2 P5.1 P9.1 P9.2 P9.3 P9.8 P9.9 P9.14 P9.15 P9.16 P16.2 P20.13 P20.15 P20.19 P22.4 P22.10 P22.18 P25.1 P26.3 P26.5 P26.9 P28.2 P28.12 P30.2 P30.20 P83.1 P84.1 P85.1 P86.1 P87.1 P88.1 P89.1 P90.1 P91.1 P92.1 R4.1 R7.2 R14.2 R15.2 R16.2 R17.2 R35.2 R37.1 R39.2 R41.1 R46.1 R54.1 R55.1 R65.1 R68.2 R69.2 R85.2 R93.2 SW1.0 SW2.0 SW2.1 T3.2 T3.5 T4.2 T4.5 U1.3 U2.3 U3.2 U3.3 U4.0 U4.12 U5.3 U6.3 U7.3 U8.2 U8.4 U9.0 U10.3 U11.3 U12.0 U13.1 U13.2 U13.4 U13.5 U14.0 U15.2 U17.0 U17.2 U17.22 U17.26 U18.0 U18.5 U18.7 U18.12 U18.17 U18.37 U18.42 U19.0 U20.4 U21.0 U21.8 U23.4 U23.19 U23.23 U23.40 U23.76 U23.109 U23.135 U23.138 U24.21 U24.31 U24.62 U24.69 U24.84 U24.100 U25.1 U25.2 U25.4 U25.5 X1.2 X1.4 X2.2 X2.4
VCC: C1.1 C2.1 C88.1 C113.1 C119.1 C120.1 C121.1 C122.1 C123.1 C124.1 C128.1 C129.1 C130.1 C131.1 C132.1 C133.1 C134.1 C135.1 C137.1 C138.1 C139.1 C140.1 C141.1 C142.1 C144.1 C148.1 C149.1 C150.1 C153.1 C154.1 C167.1 NT2.1 P5.2 P20.3 P22.11 P26.1 P28.1 P30.1 Q3.2 R5.1 R6.1 R11.1 R12.1 R27.1 R28.1 R38.1 R48.1 R49.1 R59.1 R63.2 R64.2 R66.1 R67.2 R75.2 R104.1 R105.1 SW1.1 U4.19 U17.20 U18.18 U19.10 U19.11 U19.14 U19.18 U19.20 U20.8 U23.5 U23.16 U23.17 U23.25 U23.36 U23.41 U23.59 U23.71 U23.77 U23.94 U23.107 U23.111 U23.131 U23.136 U23.137 U23.141 U24.5 U24.38 U24.51 U24.88 U24.98
!MIX_BYPASS: C7.2 C38.2 P35.1 U1.5 U9.6 U23.50
!RX_AMP_PWR: P52.1 Q1.1 R29.2 U23.106
!TX_AMP_PWR: P51.1 Q2.1 R24.1 U23.97
!VAA_ENABLE: P5.5 Q3.1 R11.2 U23.37
/baseband/CLK0: R31.2 U19.13
/baseband/CLK1: R32.2 U19.12
/baseband/CLK2: R94.2 U19.9
/baseband/CLK3: R33.2 U19.8
/baseband/CLK5: C115.1 U19.17
/baseband/COM: C97.1 U18.47
/baseband/CPOUT+: C112.2 R25.1 U17.23
/baseband/CPOUT-: C112.1 R26.1 U17.24
/baseband/IA+: C101.1 C110.1 R20.1 U18.3
/baseband/IA-: C101.2 C109.1 R21.1 U18.4
/baseband/ID+: R13.1 U18.45
/baseband/ID-: R10.1 U18.44
/baseband/INTR: P15.1 R104.2 U19.3
/baseband/OEB: P18.1 R105.2 U19.7
/baseband/QA+: C103.2 C107.1 R23.1 U18.10
/baseband/QA-: C103.1 C108.1 R22.1 U18.9
/baseband/QD+: R8.1 U18.40
/baseband/QD-: R9.1 U18.41
/baseband/REFN: C98.1 U18.48
/baseband/REFP: C100.1 U18.1
/baseband/RXBBI+: P9.7 R20.2 U17.38
/baseband/RXBBI-: P9.5 R21.2 U17.37
/baseband/RXBBQ+: P9.6 R22.2 U17.36
/baseband/RXBBQ-: P9.4 R23.2 U17.35
/baseband/TXBBI+: C96.1 P9.12 R10.2 R15.1 U17.43
/baseband/TXBBI-: C96.2 P9.10 R13.2 R14.1 U17.42
/baseband/TXBBQ+: C95.2 P9.11 R9.2 R16.1 U17.44
/baseband/TXBBQ-: C95.1 P9.13 R8.2 R17.1 U17.45
/baseband/XA: C170.2 U19.1 X1.3
/baseband/XB: C169.2 U19.2 X1.1
/baseband/XCVR_CLKOUT: P14.1 U17.16
/baseband/XTAL2: C115.2 C116.1 P57.1 U17.17
/frontend/!ANT_BIAS: P13.1 Q4.1 R36.1 U4.15
/frontend/REF_IN: C67.2 C70.1 P21.1 U4.10
/frontend/RX_AMP_IN: C58.1 U14.8
/frontend/RX_AMP_OUT: C50.2 U12.4
/frontend/TX_AMP_IN: C59.1 U12.8
/frontend/TX_AMP_OUT: C62.1 U14.4
/mcu/usb/power/ADC0_0: P20.20 U23.6
/mcu/usb/power/ADC0_2: P20.16 U23.143
/mcu/usb/power/ADC0_3: R38.2 R39.1 U23.139
/mcu/usb/power/ADC0_5: P20.18 U23.144
/mcu/usb/power/ADC0_6: P20.14 U23.142
/mcu/usb/power/B1AUX13: P28.16 U24.55
